# Altium PCB Mainboard.PcbDoc (part 3 of 4)
Units mm, origin at the board's own origin, x right, y up, seen from the top; angles counter-clockwise.
Board outline 90 x 160 mm, 2 copper layers (L1_Top, L14_Bot), stack 1.67 mm thick; 362 components, 198 nets, 989 pads, 814 vias.
Unrouted connection lines stored in the file: 3.
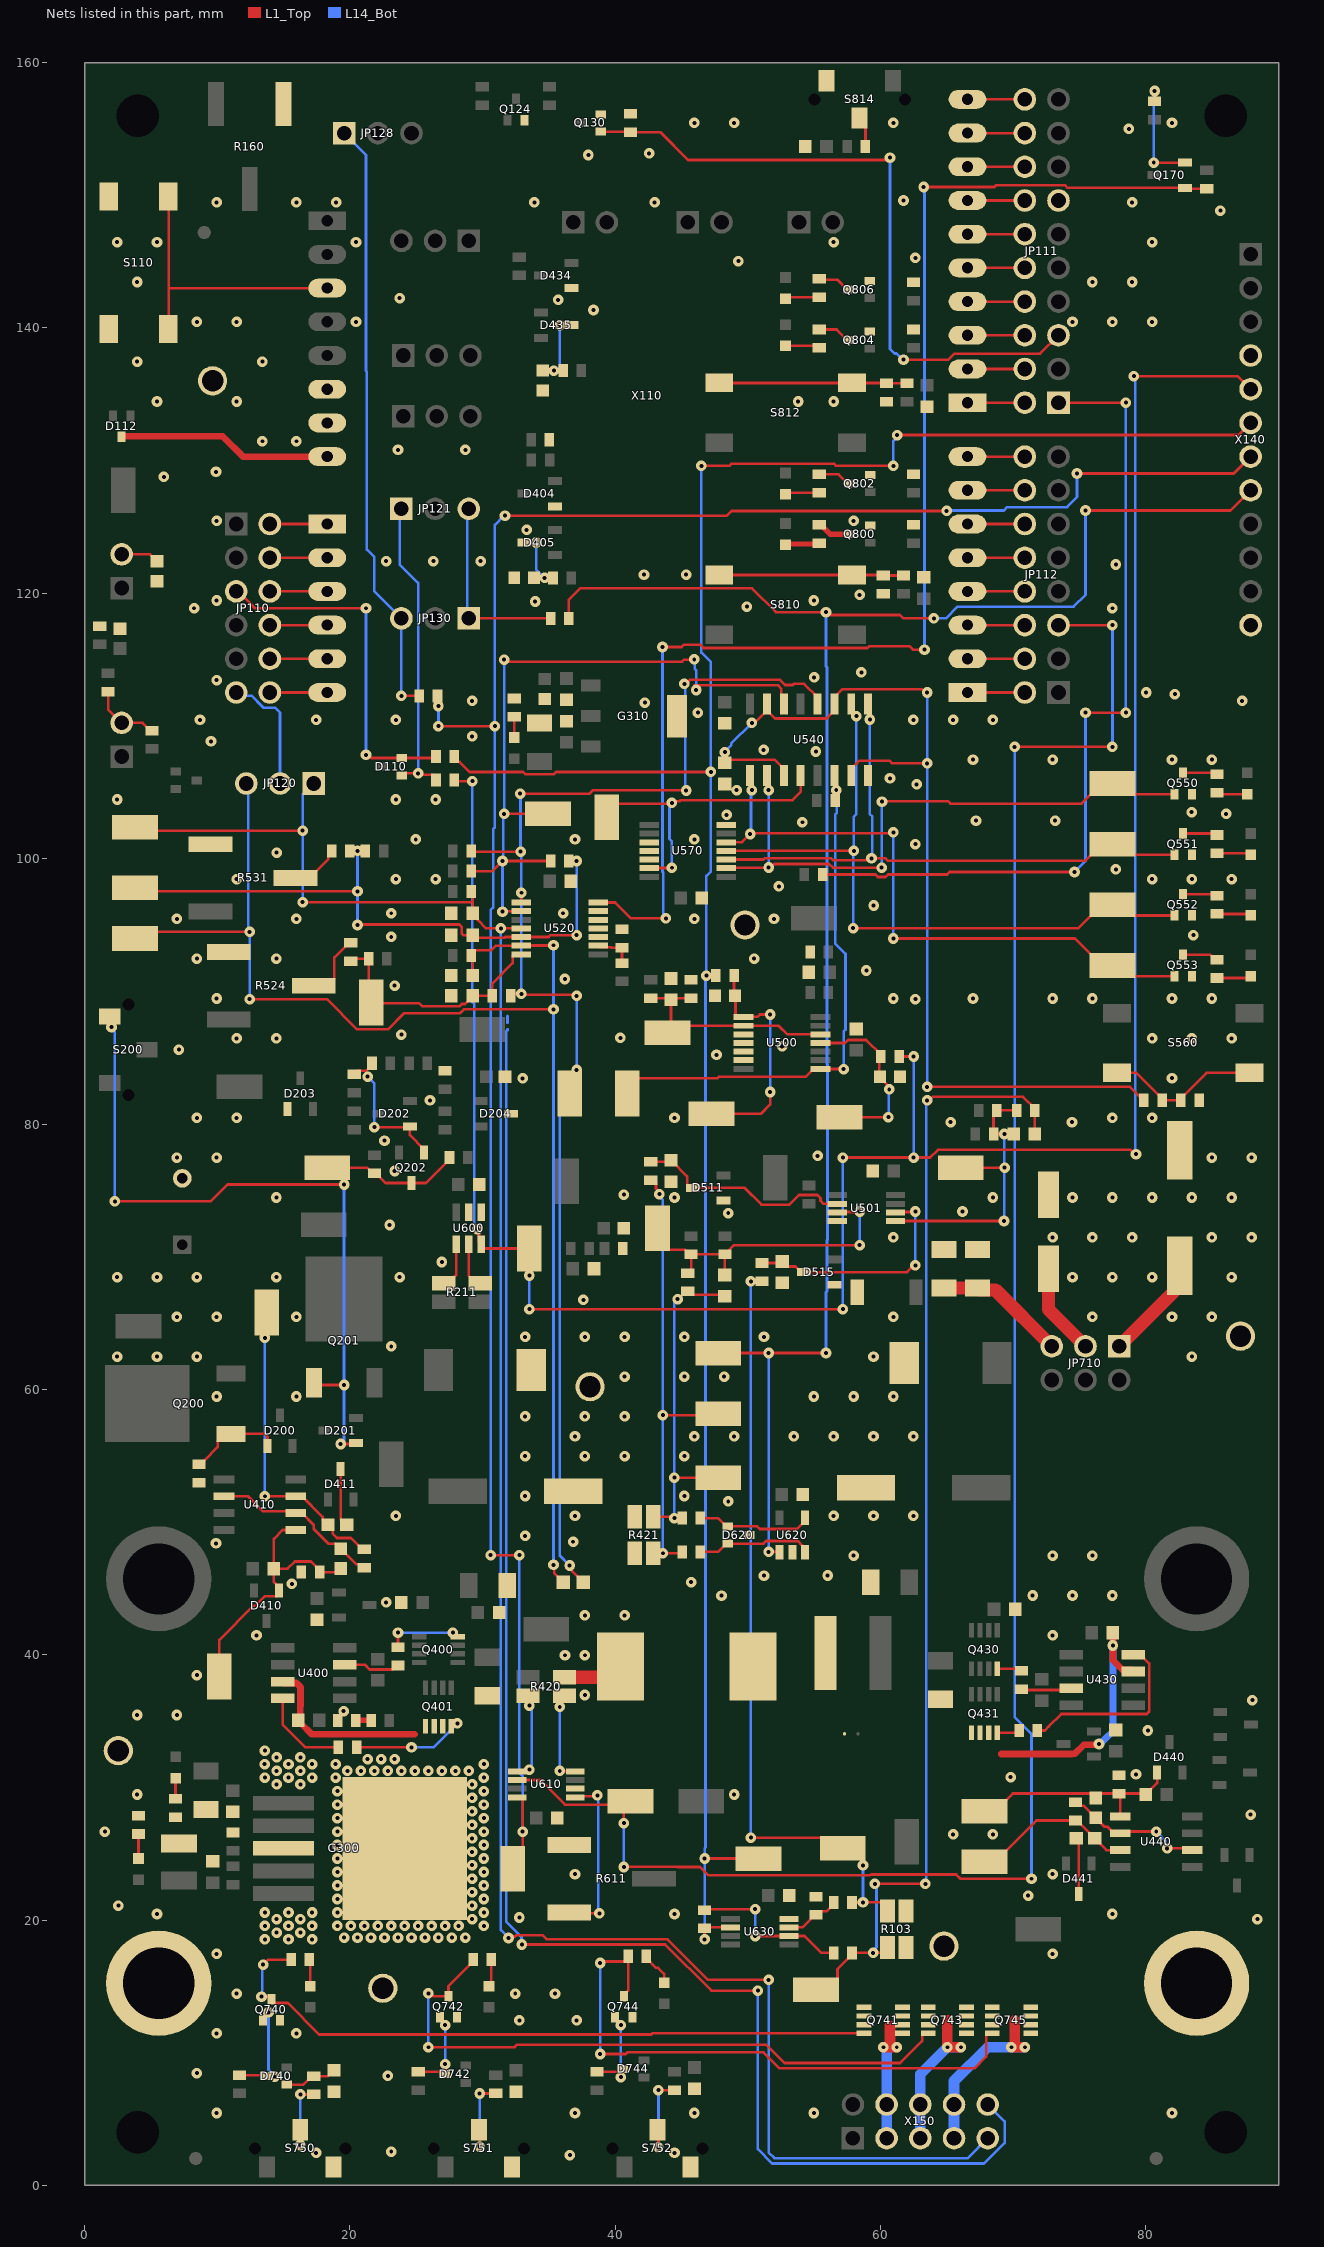
[diagram p3: the nets of this part, all layers, seen from the top]

## Via types
v1: diameter 0.8, hole 0.3, L1_Top to L14_Bot, tented both sides, 814 vias

## Nets (pads, with @x,y where several pads share a name; then routed paths per layer and width w, separated by ;. In a path a pad name is that pad's centre, name@x,y a point inside that pad or via, vN(x,y) a via of type N, cw(c..) or ccw(c..) an arc to the next point about the centre after c; other vN are vias at no path point) (continued)
Curr_In+: R211.4 U600.4 | length 3.5
  L1_Top w0.2: R211.4@27.073,68.01 27.398,68.01 28.006,68.618 U600.4@28.006,70.936
Curr_In-: R211.3 U600.5 | length 3.5
  L1_Top w0.2: U600.5@28.956,70.936 28.956,68.552 29.498,68.01 R211.3@29.823,68.01
Curr_Inductor+: R420.3 U610.1 | length 6.9
  L1_Top w0.2: U610.1@32.598,31.201 32.663,31.266 33.463,31.266 v1(33.528,31.33) ; R420.3@33.423,36.892 33.528,36.787 v1(33.528,36.156)
  L14_Bot w0.2: v1(33.528,31.33) 33.694,31.33 33.694,36.156 v1(33.528,36.156)
Curr_Inductor-: R420.4 U610.8 | length 7
  L1_Top w0.2: v1(35.814,31.242) 35.835,31.222 36.978,31.222 U610.8@36.998,31.201 ; v1(35.814,36.068) 35.814,36.533 R420.4@36.173,36.892
  L14_Bot w0.2: v1(35.814,31.242) v1(35.814,36.068)
Curr_Out+: R103.3 R515.1 R631.1 TP601.1 | length 58.2
  L1_Top w0.2: v1(50.22,26.217) 50.275,26.162 50.33,26.217 56.333,26.217 TP601.1@57.15,25.4 57.849,25.4 58.674,24.575 v1(58.674,24.13) ; v1(50.22,68.144) R515.1@51.054,68.144 ; R631.1@57.84,21.336 v1(58.674,21.336) 60.064,21.336 60.514,20.886 R103.3@60.514,20.679
  L14_Bot w0.2: v1(50.22,26.217) v1(50.22,68.144) ; v1(58.674,21.336) v1(58.674,24.13)
Curr_Out-: C514.1 R103.4 R514.2 R633.1 TP602.1 | length 86
  L1_Top w0.2: TP602.1@55.118,14.732 55.918,14.732 56.743,15.557 56.743,16.294 57.84,17.391 R633.1@57.84,17.526 v1(59.436,17.526) 60.111,17.526 R103.4@60.514,17.929 ; v1(59.563,22.733) v1(63.373,22.733) ; v1(63.5,81.788) 63.662,81.788 63.916,82.042 70.747,82.042 71.628,81.161 R514.2@71.628,81.026 C514.1@71.628,79.248
  L14_Bot w0.2: v1(59.436,17.526) 59.436,17.688 59.69,17.942 59.69,22.444 59.563,22.571 v1(59.563,22.733) ; v1(63.373,22.733) 63.436,22.796 63.436,81.724 v1(63.5,81.788)
Curr_Thresh: C505.2 R504.2 R505.2 TP504.1 U500.5 U500.9 | length 17.3
  L1_Top w0.2: R504.2@42.672,89.48 R505.2@45.72,89.48 ; TP504.1@43.942,86.868 TP504.1@44.196,87.122 ; C505.2@44.196,89.37 TP504.1@44.196,87.122 ; U500.5@55.478,86.756 52.965,86.756 52.315,87.406 U500.9@49.678,87.406 44.48,87.406 TP504.1@44.196,87.122
Current_Blanking: JP111.5 Q130.1 R130.2 | length 51.1
  L1_Top w0.2: Q130.1@38.9,154.798 41.108,154.798 R130.2@41.148,154.758 43.388,154.758 45.492,152.654 60.706,152.654 v1(60.706,152.83) ; v1(61.719,137.606) 65.107,137.606 65.557,138.056 72.016,138.056 JP111.5@73.406,139.446
  L14_Bot w0.2: v1(60.706,152.83) 60.706,138.43 61.061,138.075 61.199,138.075 61.668,137.606 v1(61.719,137.606)
Fault_Reset: C562.1 R562.2 U540.3 U540.7 U540.11 U540.15 | length 78.1
  L1_Top w0.2: v1(48.26,108.023) C562.1@48.26,107.226 48.476,107.442 52.029,107.442 52.705,106.766 U540.3@52.705,106.266 ; v1(50.292,110.236) 50.407,110.351 50.62,110.351 U540.15@51.435,111.166 ; U540.15@51.435,111.666 U540.15@51.435,111.166 ; U540.7@57.785,106.266 57.785,106.766 57.985,106.966 58.385,107.366 60.695,107.366 60.873,107.188 v1(63.5,107.188) ; v1(63.5,82.804) 78.812,82.804 R562.2@79.828,81.788 ; v1(63.5,112.522) 63.338,112.522 63.084,112.776 57.125,112.776 56.515,112.166 U540.11@56.515,111.666 56.515,111.166 55.915,110.566 52.035,110.566 U540.15@51.435,111.166
  L14_Bot w0.2: v1(48.26,108.023) 48.26,108.063 48.735,108.538 48.735,108.679 v1(50.292,110.236) ; v1(63.5,82.804) v1(63.5,107.188) v1(63.5,112.522)
Flag_Overcurr: Q550.1 TP540.1 U540.2 U570.2 | length 47
  L1_Top w0.2: U570.2@48.366,99.284 48.391,99.309 51.537,99.309 v1(51.562,99.334) 51.724,99.334 51.991,99.601 56.11,99.601 56.394,99.317 v1(60.074,99.317) ; U540.2@51.435,106.266 51.562,106.139 v1(51.562,105.156) ; v1(60.104,104.3) 60.136,104.332 65.06,104.332 65.252,104.14 75.146,104.14 76.67,105.664 TP540.1@77.47,105.664 78.27,104.864 Q550.1@82.154,104.864
  L14_Bot w0.2: v1(51.562,99.334) v1(51.562,105.156) ; v1(60.074,99.317) 60.074,104.27 v1(60.104,104.3)
Flag_Overtemp_Ext: Q553.1 TP543.1 U540.1 U570.5 | length 47.8
  L1_Top w0.2: U570.5@48.366,101.234 48.374,101.242 49.553,101.242 50.228,101.917 60.896,101.917 v1(60.96,101.981) ; U540.1@50.165,106.266 50.292,106.139 v1(50.292,105.156) ; v1(60.96,93.98) 74.638,93.98 77.47,91.148 Q553.1@82.154,91.148
  L14_Bot w0.2: v1(50.165,101.854) 50.228,101.917 50.228,105.092 v1(50.292,105.156) ; v1(60.96,93.98) v1(60.96,101.981)
Flag_Overtemp_Int: Q552.1 TP542.1 U540.10 U570.4 | length 52.3
  L1_Top w0.2: U570.4@48.366,100.584 v1(57.974,100.584) v1@58.166,100.584 ; U540.10@57.785,111.666 57.785,111.166 58.166,110.785 v1(58.166,110.744) ; v1(57.934,94.764) 57.957,94.742 74.892,94.742 76.67,96.52 TP542.1@77.47,96.52 78.27,95.72 Q552.1@82.154,95.72
  L14_Bot w0.2: v1(57.934,94.764) 57.943,94.773 57.943,100.553 v1(57.974,100.584) 57.974,103.16 58.166,103.352 v1(58.166,110.744)
Flag_Overvolt: Q551.1 TP541.1 U540.9 U570.3 | length 45.5
  L1_Top w0.2: U570.3@48.366,99.934 51.172,99.934 51.272,100.034 56.243,100.034 56.393,99.884 58.866,99.884 58.884,99.902 59.195,99.902 v1(59.31,100.017) 60.364,100.017 60.528,99.853 75.431,99.853 76.67,101.092 TP541.1@77.47,101.092 78.27,100.292 Q551.1@82.154,100.292
  L14_Bot w0.2: v1(59.182,110.49) 59.166,110.474 59.166,103.367 59.374,103.16 59.374,100.081 v1(59.31,100.017)
GND: C204.1 C210.2 C211.2 C212.1 C213.1 C214.1 C215.1 C221.1 C300.1 C301.1 C302.1 C303.1 C310.1 C311.1 C312.1 C313.1 C403.1 C405.1 C433.1 C435.1 C500.2 C501.2 C503.1 C505.1 C506.1 C507.1 C511.1 C515.1 C520.2 C523.1 C526.1 C530.1 C533.1 C540.1 C562.2 C570.2 C600.1 C610.1 C620.1 C630.1 C700.1 C701.1 C702.2 C710.2 C711.2 C712.1 C713.1 C722.1 C723.1 C750.1 C751.1 C752.1 C811.1 C813.1 C814.1 D203.1 D204.3 D211.2 D404.1 D434.1 D511.1 D515.1 D620.3 D730.2 D731.2 G300.3 G300.6 G310.4 JP111.13 Q124.2 Q130.2 Q550.2 Q551.2 Q552.2 Q553.2 Q740.2 Q742.2 Q744.2 Q800.2 Q802.2 Q804.2 Q806.2 R103.2 R122.1 R130.1 R160.1 R173.1 R200.1 R207.1 R221.1 R301.1 R320.1 R330.1 R340.1 R403.2 R410.1 R421.2 R440.1 R503.2 R505.1 R524.1 R531.1 R561.1 R611.1 R632.1 R722.1 R800.1 R802.1 R804.1 R806.1 R810.1 R812.1 S110.1 S110.2 S750.3 S751.3 S752.3 S814.3 TP103.1 TP202.1 TP300.1 TP421.1 TP503.1 TP710.1 TP802.1 U500.10 U500.11 U500.12 U500.13 U501.4 U520.10 U520.11 U520.12 U520.13 U540.8 U570.7 U570.10 U570.11 U570.12 U600.1 U600.2 U610.6 U620.2 U630.4 W100.2 W500.2 X101.1 X110.6A X110.7A X140.4 X140.12 | length 0.8
  L14_Bot w0.2: W100.2@31.877,87.621 31.877,88.138 ; W500.2@35.814,83.049 35.814,83.312
  other v1: 36.576,2.286 17.46,2.46 44.46,2.46 23.114,2.54 9.96,5.46 36.96,5.46 45.96,5.46 54.96,5.46 81.96,5.46 22.86,8.255 8.46,8.46 9.96,11.46 15.96,11.46 32.766,12.446 37.084,12.446 11.46,14.46 32.46,14.46 35.46,14.46 9.96,17.46 72.96,17.46 13.589,18.542 15.367,18.542 17.145,18.542 19.558,18.669 20.574,18.669 21.59,18.669 22.606,18.669 23.622,18.669 24.638,18.669 25.654,18.669 26.67,18.669 27.686,18.669 28.702,18.669 14.478,19.05 16.256,19.05 13.589,19.558 15.367,19.558 17.145,19.558 19.05,19.558 20.066,19.558 21.082,19.558 22.098,19.558 23.114,19.558 24.13,19.558 25.146,19.558 26.162,19.558 27.178,19.558 28.194,19.558 30.099,19.558 14.478,20.066 16.256,20.066 29.21,20.066 88.392,20.066 32.766,20.193 5.46,20.46 44.46,20.46 77.46,20.46 13.589,20.574 15.367,20.574 17.145,20.574 19.05,20.574 30.099,20.574 2.54,21.082 29.21,21.082 19.05,21.59 30.099,21.59 71.12,21.844 29.21,22.098 19.05,22.606 30.099,22.606 29.21,23.114 36.96,23.46 72.96,23.46 19.05,23.622 30.099,23.622 29.21,24.142 19.05,24.638 30.099,24.638 29.21,25.146 19.05,25.654 30.099,25.654 29.21,26.162 65.46,26.46 68.46,26.46 1.524,26.67 19.05,26.67 30.099,26.67 29.21,27.178 19.05,27.686 30.099,27.686 87.884,27.94 29.21,28.194 19.05,28.702 30.099,28.702 29.21,29.21 3.96,29.46 48.96,29.46 19.05,29.718 30.099,29.718 14.478,30.226 16.256,30.226 29.21,30.226 13.589,30.734 15.367,30.734 17.145,30.734 18.923,30.734 30.099,30.734 69.805,30.77 79.248,30.988 14.478,31.242 16.256,31.242 19.812,31.242 20.828,31.242 21.844,31.242 22.86,31.242 23.876,31.242 24.892,31.242 25.908,31.242 26.924,31.242 27.94,31.242 28.956,31.242 13.572,31.748 15.367,31.75 17.145,31.75 18.923,31.75 30.099,31.75 21.336,32.131 22.352,32.131 23.368,32.131 14.478,32.258 16.256,32.258 13.589,32.766 80.137,34.29 3.96,35.46 6.96,35.46 19.52,35.743 88.011,36.576 37.71,36.96 8.46,38.46 36.21,39.96 37.71,39.96 12.96,41.46 72.96,41.46 37.71,42.96 40.71,42.96 22.733,43.942 48.006,44.45 71.46,44.46 74.46,44.46 77.46,44.46 15.621,45.339 45.72,45.466 51.21,45.96 56.007,45.974 57.96,47.46 72.96,47.46 75.96,47.46 9.906,48.387 36.83,48.514 33.21,48.96 23.46,50.46 36.96,50.46 56.46,50.46 59.46,50.46 62.46,50.46 48.514,51.562 33.21,51.96 45.21,51.96 33.21,54.96 37.71,54.96 40.71,54.96 45.21,54.96 36.96,56.46 45.96,56.46 48.96,56.46 53.46,56.46 56.46,56.46 59.46,56.46 62.46,56.46 33.21,57.96 37.71,57.96 40.71,57.96 9.96,59.46 15.96,59.46 54.96,59.46 57.96,59.46 60.96,59.46 40.71,60.96 45.21,60.96 48.21,60.96 2.46,62.46 5.46,62.46 8.46,62.46 59.46,62.46 83.46,62.46 23.114,63.246 33.21,63.96 37.71,63.96 40.71,63.96 45.21,63.96 51.21,63.96 6.96,65.46 9.96,65.46 15.96,65.46 60.96,65.46 75.96,65.46 81.96,65.46 84.96,65.46 37.592,66.74 2.46,68.46 5.46,68.46 8.46,68.46 14.46,68.46 23.749,68.453 74.46,68.46 77.46,68.46 80.46,68.46 86.46,68.46 26.924,69.596 60.96,71.46 72.96,71.46 75.96,71.46 78.96,71.46 84.96,71.46 87.96,71.46 22.987,72.39 48.514,73.279 66.167,73.406 14.46,74.46 44.46,74.46 68.46,74.46 74.46,74.46 77.46,74.46 80.46,74.46 83.46,74.46 86.46,74.46 40.64,74.676 23.368,76.454 6.96,77.46 9.96,77.46 84.96,77.46 87.96,77.46 55.245,77.597 22.606,78.74 65.278,80.137 74.422,80.137 8.46,80.46 11.46,80.46 44.46,80.46 77.46,80.46 80.46,80.46 26.035,81.788 33.02,83.439 81.96,83.46 47.625,85.217 7.112,85.598 52.578,85.852 11.46,86.46 14.46,86.46 80.46,86.46 83.46,86.46 86.46,86.46 40.386,86.487 23.876,86.741 62.611,89.408 9.96,89.46 60.96,89.46 66.96,89.46 72.96,89.46 75.96,89.46 81.96,89.46 84.96,89.46 23.368,90.424 36.195,90.932 58.916,91.567 8.46,92.46 14.46,92.46 50.46,92.46 23.114,94.107 83.566,94.234 6.96,95.46 15.96,95.46 45.96,95.46 51.96,95.46 23.114,95.885 36.068,95.885 59.466,96.471 52.324,97.917 11.46,98.46 23.46,98.46 26.46,98.46 80.46,98.46 83.46,98.46 86.46,98.46 77.724,99.187 14.478,100.457 62.611,101.092 24.96,101.46 36.96,101.46 45.96,101.46 54.102,102.743 67.183,102.87 73.152,102.87 48.387,103.302 86.037,103.371 83.439,103.505 2.46,104.46 23.46,104.46 26.46,104.46 49.149,105.156 62.708,105.6 60.706,106.045 66.96,107.46 72.96,107.46 81.96,107.46 84.96,107.46 55.118,108.077 51.181,108.204 9.525,108.839 29.21,109.22 8.695,110.46 17.46,110.46 23.46,110.46 62.46,110.46 65.46,110.46 68.46,110.46 46.228,110.998 42.226,111.76 29.21,111.887 87.249,111.887 82.169,112.395 80.01,112.522 9.96,113.46 54.991,113.665 58.547,114.046 8.255,118.872 77.47,118.872 49.911,118.999 33.96,119.383 9.96,119.46 54.96,119.46 58.42,119.888 42.164,121.412 45.339,121.412 77.724,122.174 22.733,122.428 26.289,122.428 29.845,122.428 33.317,124.781 9.96,125.46 57.96,125.46 5.969,128.778 9.906,129.159 23.622,130.81 28.702,130.81 13.4,131.46 15.96,131.46 5.46,134.46 11.46,134.46 53.786,134.46 56.46,134.46 3.96,137.46 13.4,137.46 8.46,140.46 11.46,140.46 20.46,140.46 74.46,140.46 77.46,140.46 80.46,140.46 38.354,141.351 35.687,142.113 23.749,142.24 3.96,143.46 75.96,143.46 78.96,143.46 49.276,145.034 62.611,145.288 2.46,146.46 5.46,146.46 20.46,146.46 56.46,146.46 80.46,146.46 85.598,148.844 9.96,149.46 15.96,149.46 18.96,149.46 33.906,149.46 42.96,149.46 78.96,149.46 61.722,149.606 37.973,153.035 42.545,153.162 78.709,155.002 45.96,155.46 48.96,155.46 60.96,155.46 81.96,155.46
H-Bridge_neg: C400.1 C404.1 C430.1 C434.1 Q401.1 Q401.2 Q401.3 Q431.1 Q431.2 Q431.3 R421.1 U400.3 U430.3 | length 32.8
  L1_Top w0.5: U400.3@14.932,37.973 15.042,37.863 15.963,37.863 16.272,37.554 16.272,36.157 16.256,36.141 16.256,34.862 16.316,34.802 16.33,34.802 17.134,33.998 24.892,33.998 ; 69.088,32.512 74.422,32.512 74.434,32.524 74.623,32.524 75.315,33.217 76.397,33.217 v1(76.454,33.274) ; C430.1@77.508,41.656 77.508,39.586 78.249,38.845 78.938,38.845 U430.3@79.048,38.735
  L14_Bot w0.5: v1(76.454,33.274) 76.535,33.274 77.136,33.874 77.154,33.874 77.508,34.228 v1(77.508,40.693)
In_555_Boost: C442.2 R441.2 U440.2 U440.6 | length 10.7
  L1_Top w0.2: R441.2@74.676,28.884 74.936,28.624 75.274,28.624 C442.2@76.2,27.698 76.865,27.033 77.107,27.033 77.597,26.543 U440.2@78.072,26.543 78.199,26.67 v1(80.772,26.67) ; v1(81.593,25.4) 83.345,25.4 U440.6@83.472,25.273
  L14_Bot w0.2: v1(80.772,26.67) 80.772,26.543 80.899,26.543 81.478,25.964 81.478,25.515 v1(81.593,25.4)
In_555_Buck: C412.2 R411.2 U410.2 U410.6 | length 13
  L1_Top w0.2: U410.6@10.508,51.943 12.319,51.943 13.462,50.8 15.781,50.8 U410.2@15.908,50.673 16.383,50.673 17.272,49.784 17.272,49.463 18.366,48.369 18.929,48.369 C412.2@19.304,47.994 20.484,46.814 20.822,46.814 R411.2@21.082,46.554
In_Curr_ADC: D110.1 JP121.1 R110.1 | length 23.6
  L1_Top w0.2: D110.1@23.914,106.284 24.056,106.426 v1(25.146,106.426) 25.259,106.313 26.228,106.313 26.488,106.053 R110.1@26.488,105.918
  L14_Bot w0.2: JP121.1@23.876,126.492 23.749,126.365 23.749,122.18 25.146,120.783 v1(25.146,106.426)
In_Curr_Filtr: C506.2 R506.1 TP506.1 U500.4 | length 15
  L1_Top w0.2: U500.4@55.478,86.106 57.313,86.106 57.542,86.335 58.906,86.335 60.016,85.225 R506.1@60.016,85.09 59.906,84.98 C506.2@59.906,83.566 ; TP506.1@56.134,81.28 TP506.1@56.896,80.518 v1(60.581,80.518) ; C506.2@59.881,83.566 60.466,82.981 60.466,82.952 60.649,82.77 v1(60.649,82.607)
  L14_Bot w0.2: v1(60.581,80.518) 60.615,80.552 60.615,82.574 v1(60.649,82.607)
Inductor_Curr_ADC: JP128.1 JP130.3 R132.1 | length 45.5
  L1_Top w0.2: v1(23.876,112.268) R132.1@25.218,112.268
  L14_Bot w0.2: JP128.1@19.558,154.686 21.209,153.035 21.209,136.753 21.274,136.688 21.274,123.288 21.844,122.718 21.844,120.142 JP130.3@23.876,118.11 v1(23.876,112.268)
Inductor_Current: R132.2 TP610.1 U610.4 X140.7 | length 173.6
  L1_Top w0.2: R132.2@26.598,112.268 26.67,112.196 v1(26.67,111.506) ; v1(26.67,109.982) v1(30.923,109.982) ; v1(30.607,47.498) v1(32.766,47.498) ; v1(31.685,125.857) 48.413,125.857 48.763,126.207 v1(64.972,126.207) ; TP610.1@32.258,23.876 33.02,24.638 v1(33.02,26.67) 33.02,29.126 32.895,29.251 U610.4@32.598,29.251 U610.4@32.578,29.231 ; v1(74.803,129.032) 86.614,129.032 X140.7@87.884,130.302
  L14_Bot w0.2: v1(26.67,109.982) v1(26.67,111.506) ; v1@30.607,47.56 30.607,96.113 30.799,96.305 30.799,99.269 30.796,99.272 30.796,102.237 30.926,102.367 30.926,103.088 30.926,106.396 v1@30.926,109.982 ; v1(30.923,109.982) v1@30.926,109.982 ; v1(31.685,125.857) 31.623,125.857 30.926,125.16 v1@30.926,109.982 ; v1(32.766,47.498) 32.766,31.102 33.02,30.848 v1(33.02,26.67) ; v1(64.972,126.207) 65.002,126.238 69.285,126.238 69.539,126.492 74.041,126.492 74.803,127.254 v1(74.803,129.032)
Inductor_Overcurr: JP112.5 TP612.1 U610.2 | length 152.2
  L1_Top w0.2: U610.2@32.633,30.515 U610.2@32.598,30.551 34.349,30.551 36.198,28.702 40.894,28.702 TP612.1@41.148,28.956 40.64,28.448 v1(40.64,27.305) ; v1(40.64,24.003) 40.646,24.009 44.7,24.009 44.706,24.003 46.381,24.003 47.016,23.368 59.208,23.368 59.273,23.433 65.695,23.433 66.014,23.114 v1(71.374,23.114) ; v1(70.104,108.423) 76.103,108.423 76.687,108.423 v1(77.47,108.423) ; JP112.5@73.406,117.602 v1(77.47,117.602)
  L14_Bot w0.2: v1(40.64,24.003) v1(40.64,27.305) ; v1(70.104,108.423) 70.104,35.309 71.374,34.039 v1(71.374,23.114) ; v1(77.47,108.423) v1(77.47,117.602)
Input_Current: R110.2 R506.2 TP600.1 U600.6 X140.5 | length 179.1
  L1_Top w0.2: R110.2@27.868,105.918 27.95,105.836 v1(29.226,105.836) ; v1(29.609,72.071) 29.609,71.909 29.726,71.792 29.726,71.116 U600.6@29.906,70.936 29.906,70.792 30.086,70.612 TP600.1@33.528,70.612 v1(33.528,68.58) ; v1(33.528,66.04) v1(57.15,66.04) ; v1(57.15,77.47) v1(62.484,77.47) 63.728,77.47 64.306,78.048 78.831,78.048 79.155,77.724 v1(79.248,77.724) ; R506.2@61.396,85.09 v1(62.484,85.09) ; v1(79.086,136.363) 86.903,136.363 X140.5@87.884,135.382
  L14_Bot w0.2: v1(29.226,105.836) 29.226,89.186 29.376,89.036 29.376,72.466 29.609,72.234 v1(29.609,72.071) ; v1(33.528,66.04) v1(33.528,68.58) ; v1(57.15,66.04) v1(57.15,77.47) ; v1(62.484,77.47) v1(62.484,85.09) ; v1(79.086,136.363) 79.186,136.263 79.186,77.786 v1(79.248,77.724)
INV_TLV198: R633.2 R634.1 U630.2 | length 12.3
  L1_Top w0.2: R634.1@46.736,20.756 46.808,20.828 v1(50.546,20.828) ; v1(50.546,18.796) 54.258,18.796 55.528,17.526 R633.2@56.46,17.526
  L14_Bot w0.2: v1(50.546,18.796) v1(50.546,20.828)
Load1: Q741.5 Q741.6 Q741.7 Q741.8 X150.3 X150.4 | length 9.6
  L1_Top w0.8: v1(60.198,10.414) 60.706,10.414 ; 60.706,12.026 60.706,10.414 ; v1(61.214,10.414) 60.706,10.414
  L14_Bot w0.8: X150.3@60.452,3.556 X150.4@60.452,6.096 60.452,10.16 60.706,10.414
Load2: Q743.5 Q743.6 Q743.7 Q743.8 X150.5 X150.6 | length 11.8
  L1_Top w0.8: 65.024,12.446 v1(65.024,10.414) v1(66.04,10.414)
  L14_Bot w0.8: X150.5@62.992,3.556 X150.6@62.992,6.096 62.992,8.382 v1(65.024,10.414) v1(66.04,10.414)
Load3: Q745.5 Q745.6 Q745.7 Q745.8 X150.7 X150.8 | length 13.8
  L1_Top w0.8: v1(69.85,10.414) v1@70.104,10.414 ; 70.104,12.446 v1@70.104,10.414 ; v1(70.866,10.414) v1@70.104,10.414
  L14_Bot w0.8: X150.7@65.532,3.556 X150.8@65.532,6.096 65.532,7.874 68.072,10.414 v1(69.85,10.414) v1(70.866,10.414)
MAX40056_Ref: R611.3 U610.5 | length 13
  L1_Top w0.2: R611.3@36.526,20.574 36.588,20.512 v1(38.8,20.512) ; U610.5@36.998,29.251 37.074,29.327 38.573,29.327 v1(38.649,29.402)
  L14_Bot w0.2: v1(38.649,29.402) 38.683,29.402 38.725,29.36 38.725,20.587 v1(38.8,20.512)
Neg_555_Boost: C440.1 C442.1 D440.1 R440.2 TP441.1 U440.1 | length 16.8
  L1_Top w0.2: TP441.1@67.818,28.194 68.618,28.194 69.968,29.544 75.854,29.544 C442.1@76.2,29.198 76.538,29.536 R440.2@77.978,29.536 ; U440.1@78.072,27.813 78.072,29.442 R440.2@77.978,29.536 ; D440.1@80.838,31.108 80.838,30.33 80.372,29.864 80.347,29.864 79.972,29.489 C440.1@79.972,29.464 79.9,29.536 R440.2@77.978,29.536
Neg_555_Buck: C410.1 C412.1 D410.1 R410.2 TP411.1 U410.1 | length 20.7
  L1_Top w0.2: TP411.1@10.16,38.354 10.16,41.122 12.734,43.696 12.873,43.696 13.59,44.413 14.466,44.413 14.666,44.613 D410.1@14.666,44.838 14.666,45.063 14.262,45.467 C410.1@14.262,46.482 ; U410.1@15.908,49.403 14.935,49.403 14.262,48.73 C410.1@14.262,46.482 ; C412.1@19.304,46.494 19.038,46.228 R410.2@17.708,46.228 17.708,46.363 17.048,47.023 15.844,47.023 15.303,46.482 C410.1@14.262,46.482
NetC405_2: C405.2 D405.3 R405.1 | length 3.6
  L1_Top w0.2: v1(34.671,121.158) R405.1@35.306,121.158
  L14_Bot w0.2: v1(34.036,123.825) 34.036,121.793 v1(34.671,121.158)
NetC411_1: C411.1 D411.3 | length 4.4
  L1_Top w0.2: D411.3@19.304,53.982 19.304,50.205 19.725,49.784 C411.1@19.75,49.784
NetC435_2: C435.2 D435.3 R435.2 | length 5.3
  L1_Top w0.2: v1(35.371,136.779) R435.2@36.068,136.779 ; v1(35.814,140.208) D435.3@36.703,140.208